# KiCad board 11-10084__speedy_processing_module__B.kicad_pcb (continued)
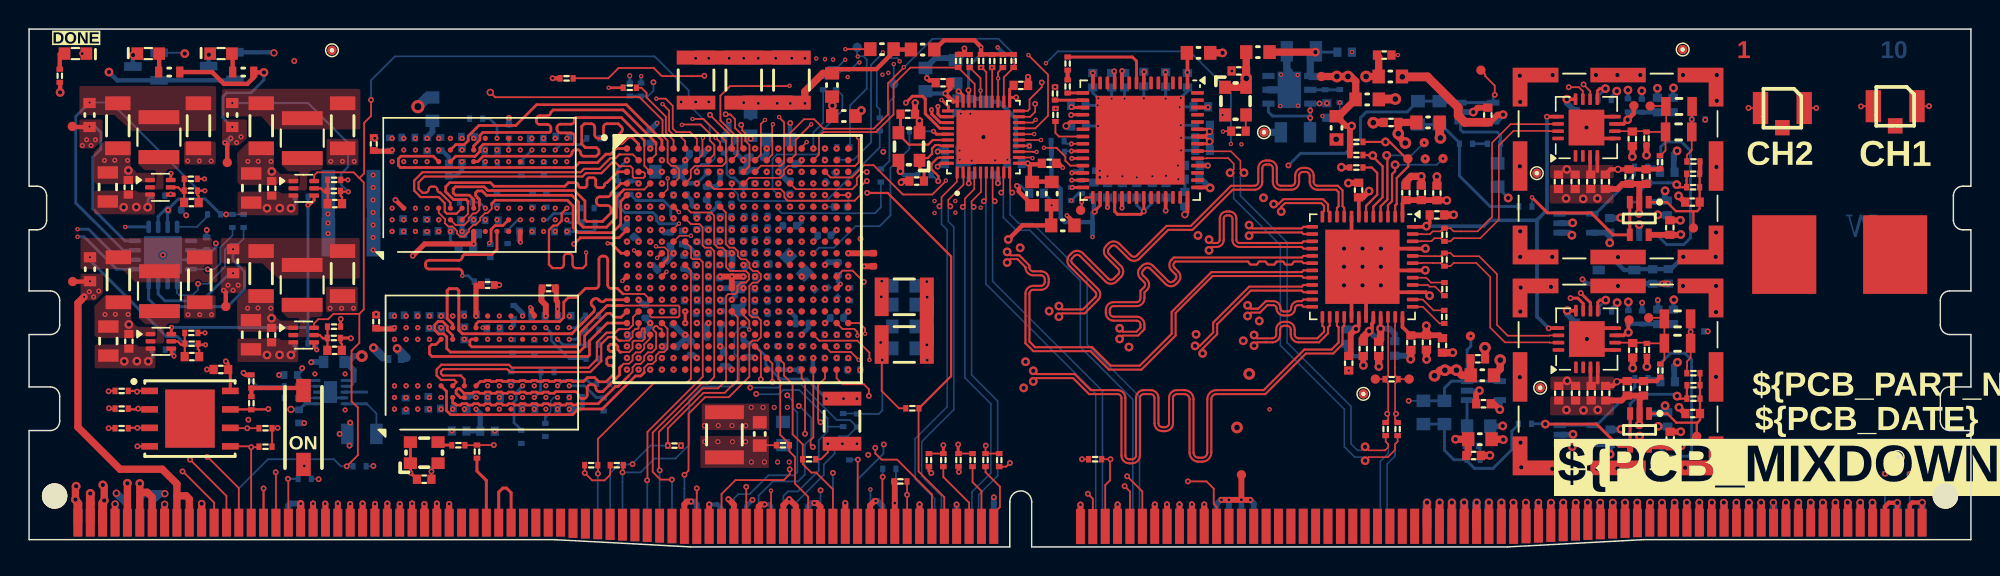
[diagram p0: board, top side]
## Placement (name value [footprint] x y rotation side) (continued)
R153  40.2Ω  [R0402_0.40MM_HD]  31.03 18.24 180 bottom
R154  40.2Ω  [R0402_0.40MM_HD]  33.8 7.56 90 bottom
R155  40.2Ω  [R0402_0.40MM_HD]  39.45 9.79 90 bottom
R156  40.2Ω  [R0402_0.40MM_HD]  35.45 8.04 90 bottom
R157  40.2Ω  [R0402_0.40MM_HD]  39.43 11.22 180 bottom
R158  40.2Ω  [R0402_0.40MM_HD]  38.35 23.29 180 bottom
R159  40.2Ω  [R0402_0.40MM_HD]  38.68 14.92 180 bottom
R160  40.2Ω  [R0402_0.40MM_HD]  38.7 13.89 180 bottom
R161  40.2Ω  [R0402_0.40MM_HD]  38.65 15.89 180 bottom
R162  40.2Ω  [R0402_0.40MM_HD]  38.75 28.09 180 bottom
R163  10kΩ  [R0402_0.40MM_HD]  17.98 10.24 180 bottom
R164  10kΩ  [R0402_0.40MM_HD]  17.98 11.03 180 bottom
R165  100Ω  [R0402_0.40MM_HD]  42.03 31.44 90 bottom  (not fitted)
R166  330Ω  [R0603_0.55MM_HD]  14.7 32.65 0 top
R167  0Ω  [R0402_0.40MM_HD]  129.15 4.55 90 bottom
R168  0Ω  [R0402_0.40MM_HD]  127.45 4.58 90 bottom
R169  10kΩ  [R0402_0.40MM_HD]  59.08 5.37 0 bottom
R170  10kΩ  [R0402_0.40MM_HD]  59.84 4.5 180 top
R171  10kΩ  [R0402_0.40MM_HD]  56.33 6.43 90 bottom
R172  10kΩ  [R0402_0.40MM_HD]  53.56 6.03 0 top
R173  10kΩ  [R0402_0.40MM_HD]  51.77 6.99 180 top
R174  10kΩ  [R0402_0.40MM_HD]  73.21 6.03 180 top
R175  0Ω  [R0402_0.40MM_HD]  114.65 29.39 180 bottom
R176  0Ω  [R0402_0.40MM_HD]  114.55 14.81 180 bottom
SH1  RF Shield  [TE_2118714-2]  109.12 26.19 90 top  (not fitted)
SH2  RF Shield  [TE_2118714-2]  109.12 11.69 90 top  (not fitted)
SW1  -  [CHS-01TA]  18.84 10.24 0 top
TP1  GND  [SMT_TP-25_GND]  20.8 34.14 0 top
TP2  SMT Testpoint 20mil  [SMT_TP-25]  72.21 23.15 180 top
TP3  GND  [SMT_TP-25_GND]  113.56 34.19 0 top
TP4  SMT Testpoint 20mil  [SMT_TP-25]  114.3 21.93 0 top
TP12  SMT Testpoint 20mil  [SMT_TP-25]  56.87 34.35 180 bottom
TP13  SMT Testpoint 20mil  [SMT_TP-25]  59.38 31.83 180 bottom
TP14  SMT Testpoint 20mil  [SMT_TP-25]  114.52 7.6 0 top
TP15  SMT Testpoint 20mil  [SMT_TP-25]  110.21 30.33 0 top
TP16  SMT Testpoint 20mil  [SMT_TP-25]  109.88 15.6 0 top
TP17  SMT Testpoint 20mil  [SMT_TP-25]  111.32 30.31 0 top
TP18  SMT Testpoint 20mil  [SMT_TP-25]  111.22 15.75 0 top
TP19  SMT Testpoint 20mil  [SMT_TP-25]  99.7 32.77 0 top
TP20  SMT Testpoint 20mil  [SMT_TP-25]  98.98 14.49 0 top
TP21  GND  [SMT_TP-25_GND]  103.77 10.94 0 top
TP22  GND  [SMT_TP-25_GND]  103.54 25.69 0 top
TP23  SMT Testpoint 20mil  [SMT_TP-25]  95.88 26.68 0 top
TP24  SMT Testpoint 20mil  [SMT_TP-25]  94.69 26.68 0 top
TP25  SMT Testpoint 20mil  [SMT_TP-25]  95.8 27.79 0 top
TP26  SMT Testpoint 20mil  [SMT_TP-25]  97.1 26.7 90 top
TP27  GND  [SMT_TP-25_GND]  91.63 10.52 0 top
TP28  GND  [SMT_TP-25_GND]  84.81 28.51 0 top
TP29  SMT Testpoint 20mil  [SMT_TP-25]  83.26 4.96 0 top
TP30  SMT Testpoint 20mil  [SMT_TP-25]  88.74 32.34 270 top
TP31  SMT Testpoint 20mil  [SMT_TP-25]  111.2 25.03 90 bottom
TP33  SMT Testpoint 20mil  [SMT_TP-25]  92.45 11.54 0 top
TP34  SMT Testpoint 20mil  [SMT_TP-25]  94.77 11.54 0 top
TP35  SMT Testpoint 20mil  [SMT_TP-25]  2.97 28.91 90 top
TP36  GND  [SMT_TP-25_GND]  128.32 6.18 0 top
TP37  SMT Testpoint 20mil  [SMT_TP-25]  2.99 18.24 0 top
TP38  SMT Testpoint 20mil  [SMT_TP-25]  13.51 16.53 90 top
TP39  SMT Testpoint 20mil  [SMT_TP-25]  13.61 26.43 180 top
U1  TLV9001IDCKR  [SC70-5]  110.58 22.58 270 top
U2  TLV9001IDCKR  [SC70-5]  110.58 22.58 90 bottom
U3  LMH6518SQ/NOPB  [QFN-16-1EP_4x4mm_P0.5mm_EP2.45x2.45mm]  106.95 28.83 90 top
U4  TLV9001IDCKR  [SC70-5]  106.23 22.26 0 bottom
U5  TLV9001IDCKR  [SC70-5]  110.6 8.04 270 top
U6  TLV9001IDCKR  [SC70-5]  110.6 8.04 90 bottom
U7  LMH6518SQ/NOPB  [QFN-16-1EP_4x4mm_P0.5mm_EP2.45x2.45mm]  106.98 14.29 90 top
U8  TLV9001IDCKR  [SC70-5]  106.25 7.72 0 bottom
U9  HMCAD1511  [QFN-48-1EP_7x7mm_P0.5mm_EP5.1x5.1mm]  91.57 19.26 270 top
U10  ST1L05BPUR  [SON95P300X300X100-7N]  86.55 31.43 0 bottom
U11  AS4C256M16D3  [FBGA-96_9x13mm_Layout9x16_P0.8mm]  31.09 12.67 90 top
U13  ZL30260LDG1  [QFN-56-1EP_8x8mm_P0.5mm_EP6.1x6.1mm]  76.3 27.96 270 top
U14  ADR127AUJZ-REEL7  [SOT95P245X145-6L]  109.01 19.04 180 bottom
U15  W25Q128JVPIQ  [SON127P600X80_HS-9N]  11.05 8.82 0 top
U16  ECS-TXO-2520MV-100-AY-TR  [ECS-2520]  82.85 30.65 270 top
U17  RTL8211FDI-CG  [QFN40P500X500X90-41N]  65.54 28.17 90 top
U18  AS4C256M16D3  [FBGA-96_9x13mm_Layout9x16_P0.8mm]  30.93 24.89 90 top
U19  TLV9001IDCKR  [SC70-5]  99.43 29.89 0 bottom
U20  TLV9001IDCKR  [SC70-5]  99.88 10.74 0 bottom
U21  TPS62A02NDRLR  [SOT-563]  9.05 14.13 0 top
U22  TPS62A02NDRLR  [SOT-563]  18.86 24.65 0 top
U23  TPS62A02NDRLR  [SOT-563]  18.85 14.56 0 top
U24  PAC1934T-I/JQ  [QFN65P400X400X55-17N]  9.19 20.07 180 bottom
U25  TPS62A02NDRLR  [SOT-563]  9.01 24.72 0 top
U26  TPS51206DSQR  [DFN-10_2x2mm_P0.4mm]  20.7 10.64 180 bottom
U27  ECS-2520MV-333.3-BN-TR  [ECS-2520]  27.13 6.48 0 top
X1  25MHz  [ECS-2520]  60.42 27.53 90 top

## Library data of the parts
C1 C2 C20 C21 = -: Description: CAP CER 4.7UF 16V X7R 0805; Manufacturer: Murata Electronics; Manufacturer Part Number: GCM21BR71C475KA73L; cad-reference: GCM21BR71C475KA73L; ki_fp_filters: wavenumber:C0805_1.40MM_MD
C3 C6 C8 C10 C11 C13 C14 C16 C17 C22 C25 C27 C29 C30 C32 C33 C35 C36 C45 C57 C61 C73 C74 C83 C85 C86 C126 C129 C130 C208 C209 C218 C221 C228 C232-C234 C238 C243 C245 C247-C249 = -: Description: CAP CER 0.1UF 50V X7R 0402; Temperature Coefficient: Temperature Coefficient; Manufacturer: Murata Electronics; Manufacturer Part Number: GCM155R71H104KE02J; cad-reference: GCM155R71H104KE02J; ki_fp_filters: wavenumber:C0402_0.55MM_HD
C4 C23 = -: Description: CAP CER 10PF 50V C0G/NP0 0402; Temperature Coefficient: Temperature Coefficient; Manufacturer: Murata Electronics; Manufacturer Part Number: GCM1555C1H100FA16D; cad-reference: GCM1555C1H100FA16D; ki_fp_filters: wavenumber:C0402_0.55MM_HD
C5 C18 C19 C24 C37 C38 C46-C48 = -: Description: CAP CER 1000PF 50V X7R 0402; Temperature Coefficient: Temperature Coefficient; Manufacturer: Murata Electronics; Manufacturer Part Number: GCM155R71H102JA37D; cad-reference: GCM155R71H102JA37D; ki_fp_filters: wavenumber:C0402_0.55MM_HD
C7 C12 C15 C26 C31 C34 = -: Description: CAP CER 2.2UF 16V X5R 0402; Temperature Coefficient: Temperature Coefficient; Manufacturer: Murata Electronics; Manufacturer Part Number: GRT155R61C225KE13D; cad-reference: GRT155R61C225KE13D; ki_fp_filters: wavenumber:C0402_0.55MM_HD
C9 C28 C41 C42 C44 C49-C51 C56 C58 C90 C92 C121 = -: Description: CAP CER 10000PF 25V X7R 0402; Temperature Coefficient: Temperature Coefficient; Manufacturer: Murata Electronics; Manufacturer Part Number: GCM155R71E103KA37D; cad-reference: GCM155R71E103KA37D; ki_fp_filters: wavenumber:C0402_0.55MM_HD
C39 C40 C43 C52-C54 C65-C72 C75-C82 C211-C216 = -: Description: CAP CER 1UF 10V X7S 0402; Temperature Coefficient: Temperature Coefficient; Manufacturer: Murata Electronics; Manufacturer Part Number: GCM155C71A105KE38D; cad-reference: GCM155C71A105KE38D; ki_fp_filters: wavenumber:C0402_0.55MM_HD
C55 C59 C217 C220 C227 C237 = -: Description: CAP CER 10UF 6.3V X7R 0805; Temperature Coefficient: Temperature Coefficient; Manufacturer: Murata Electronics; Manufacturer Part Number: GCM21BR70J106KE22K; cad-reference: GCM21BR70J106KE22K; ki_fp_filters: wavenumber:C0805_1.40MM_MD
C60 C62 C89 C91 C93 C94 C97 C98 C100-C104 C106-C120 C123 C124 C127 C128 = -: Description: CAP CER 0.047UF 25V X7R 0402; Temperature Coefficient: Temperature Coefficient; Manufacturer: Murata Electronics; Manufacturer Part Number: GCM155R71E473KA55D; cad-reference: GCM155R71E473KA55D; ki_fp_filters: wavenumber:C0402_0.55MM_HD
C63 C64 C95 C99 = -: Description: CAP CER 0.47UF 35V X5R 0402; Temperature Coefficient: Temperature Coefficient; Manufacturer: Murata Electronics; Manufacturer Part Number: GRT155R6YA474KE01D; cad-reference: GRT155R6YA474KE01D; ki_fp_filters: wavenumber:C0402_0.55MM_HD
C84 C125 C134 C135 C138 C139 C141 C142 C145 C147-C149 C153-C157 C159-C171 C173-C180 C182-C184 C186-C188 C190-C194 C253-C264 = -: Description: CAP CER 0.47UF 10V X7S 0402; Temperature Coefficient: Temperature Coefficient; Manufacturer: Murata Electronics; Manufacturer Part Number: GCM155C71A474KE36D; cad-reference: GCM155C71A474KE36D; ki_fp_filters: wavenumber:C0402_0.60MM_HD
C88 C265 C266 C268 = -: Description: CAP CER 0.1UF 10V X7R 0402; Manufacturer: Murata Electronics; Manufacturer Part Number: GCM155R71A104KA55D; cad-reference: GCM155R71A104KA55D; ki_fp_filters: wavenumber:C0402_0.55MM_HD
C96 C105 = -: Description: CAP CER 4.7UF 25V X5R 0603; Temperature Coefficient: Temperature Coefficient; Manufacturer: Murata Electronics; Manufacturer Part Number: GRT188R61E475KE13D; cad-reference: GRT188R61E475KE13D; ki_fp_filters: wavenumber:C0603_0.90MM_MD
C122 C132 C133 C140 C150 C151 C158 C172 C185 C195 C197-C200 C235 C242 C244 C246 C250 C269 = -: Description: CAP CER 4.7UF 6.3V X7S 0603; Temperature Coefficient: Temperature Coefficient; Manufacturer: Murata Electronics; Manufacturer Part Number: GCJ188C70J475KE02D; cad-reference: GCJ188C70J475KE02D; ki_fp_filters: wavenumber:C0603_1.00MM_MD
C131 C136 C137 C144 C146 C152 C196 C201 C202 = -: Description: CAP CER 100UF 6.3V X5R 1210; Temperature Coefficient: Temperature Coefficient; Manufacturer: Murata Electronics; Manufacturer Part Number: GRT32ER60J107ME13L; cad-reference: GRT32ER60J107ME13L; ki_fp_filters: wavenumber:C1210_2.70MM_MD
C143 C189 = -: Description: CAP CER 47UF 6.3V X7R 1210; Temperature Coefficient: Temperature Coefficient; Manufacturer: Murata Electronics; Manufacturer Part Number: GCJ32ER70J476KE01L; cad-reference: GCJ32ER70J476KE01L; ki_fp_filters: wavenumber:C1210_2.80MM_MD
C203-C207 C210 = -: Description: CAP CER 10000PF 100V C0G 0603; Temperature Coefficient: Temperature Coefficient; Manufacturer: TDK Corporation; Manufacturer Part Number: CGA3E1C0G2A103J080AC; cad-reference: CGA3E1C0G2A103J080AC; ki_fp_filters: wavenumber:C0603_0.90MM_MD
C219 C223 C229 C239 = -: Description: CAP CER 39PF 50V C0G/NP0 0402; Temperature Coefficient: Temperature Coefficient; Manufacturer: Murata Electronics; Manufacturer Part Number: GCQ1555C1H390JB01D; cad-reference: GCQ1555C1H390JB01D; ki_fp_filters: wavenumber:C0402_0.55MM_HD
C222 C224-C226 C230 C231 C240 C241 = -: Description: CAP CER 22UF 6.3V X7R 1206; Temperature Coefficient: Temperature Coefficient; Manufacturer: TDK Corporation; Manufacturer Part Number: CGA5L1X7R0J226M160AE; cad-reference: CGA5L1X7R0J226M160AE; ki_fp_filters: wavenumber:C1206_1.90MM_MD
C251 C252 = -: Description: CAP CER 18PF 50V C0G/NP0 0402; Temperature Coefficient: Temperature Coefficient; Manufacturer: Murata Electronics; Manufacturer Part Number: GCM1555C1H180JA16D; cad-reference: GCM1555C1H180JA16D; ki_fp_filters: wavenumber:C0402_0.55MM_HD
C267 = -: Description: CAP CER 10UF 6.3V X7R 0805; Temperature Coefficient: Temperature Coefficient; Manufacturer: TDK Corporation; Manufacturer Part Number: CGA4J1X7R0J106K125AC; cad-reference: CGA4J1X7R0J106K125AC; ki_fp_filters: wavenumber:C0805_1.45MM_MD
D1 D5 = -: Description: 0603 Green 570nm LED Indication - Discrete 2.1V 0603 (1608 Metric); Manufacturer: Kingbright; ki_fp_filters: wavenumber:LED-0603-GREEN
D6 = -: Description: 0603 Red 630nm LED Indication - Discrete 1.95V 0603 (1608 Metric); Manufacturer: Kingbright; ki_fp_filters: wavenumber:LED-0603-RED
IC1 = -: Datasheet: https://www.xilinx.com/support/documentation/data_sheets/ds187-XC7Z010-XC7Z020-Data-Sheet.pdf; Description: Zynq-7000 All Programmable SoC, BGA-400; Height: 1.6; Manufacturer_Name: AMD; Mouser Part Number: 217-XC7Z010-1CLG400C; Mouser Price/Stock: https://www.mouser.co.uk/ProductDetail/AMD-Xilinx/XC7Z010-1CLG400C?qs=rrS6PyfT74fH%252BORuML3uDw%3D%3D; Manufacturer PN: AMD
J1 J2 = -: Description: CONN UMCC JACK STR 50OHM SMD; KICAD-SYMBOL: 1909763-1:1909763-1; KICAD-FOOTPRINT: 1909763-1:1909763-1; MANUFACTURER: TE Connectivity AMP Connectors; CATEGORY: connectors/rf; Manufacturer: TE Connectivity AMP Connectors; ki_fp_filters: wavenumber:1909763-1
JEDEC1 = -: Description: DDR5 Memory pin layout; ALTIUM_VALUE: DDR5-Module; CAD-REFERENCE: DDR5-Module; KICAD-SYMBOL: DDR5-Module:DDR5-Module; KICAD-FOOTPRINT: DDR5-Module:DDR5-Module; MANUFACTURER: Wavenumber; MANUFACTURER PART NUMBER: DDR4-Module; Manufacturer: Wavenumber; Manufacturer Part Number: DDR5-ABxB-Module; cad-reference: DDR5-ABxB-Module; flags: NO_BOM; ki_fp_filters: memory:DDR5-ABxB-Module
L1-L4 = -: Description: 400mΩ ±25% 1kΩ@100MHz 0603  Ferrite Beads ROHS; Category: Inductors; CategorySort: 300; ALTIUM_VALUE: VALUE; Manufacturer: Eaton; Manufacturer Part Number: MFBM1V1608-102-R; cad-reference: MFBM1V1608-102-R; ki_fp_filters: wavenumber:C0603_0.90MM_MD
L6-L10 L14 L16 L17 = -: Description: 400mΩ ±25% 1kΩ@100MHz 0603  Ferrite Beads ROHS; Category: Inductors; CategorySort: 300; ALTIUM_VALUE: VALUE; Manufacturer: Murata Electronics; Manufacturer Part Number: BLM15PX121SN1D; cad-reference: MFBM1V1608-102-R; ki_fp_filters: wavenumber:C0603_0.90MM_MD
L11-L13 L15 = -: Description: Inductor 1µH 9.85A; Category: Inductors; CategorySort: 300; ALTIUM_VALUE: VALUE; Manufacturer: Murata Electronics; Manufacturer Part Number: 1277AS-H-1R0M=P2; cad-reference: 1277AS-H-1R0M=P2; ki_fp_filters: wavenumber:L_ASPI-8040S
M1 = -: Description: Cable Clip, C-Type Silver Solder, strain-relief; Manufacturer: Harwin; KICAD-SYMBOL: S8101-46R:S8101-46R; KICAD-FOOTPRINT: S8101-46R:S8101-46R; ki_fp_filters: *S8101-46R*
M2 = -: Description: Cable Clip, C-Type Silver Solder, strain-relief; KICAD-SYMBOL: S8101-46R:S8101-46R; KICAD-FOOTPRINT: S8101-46R:S8101-46R; MANUFACTURER: Harwin; Manufacturer: Harwin; ki_fp_filters: *S8101-46R*
Q3 Q4 = -: Description: MOSFET N-CH 25V 220MA SOT-23; Manufacturer: OnSemi; ki_fp_filters: wavenumber:SOT-23
R1 R2 R5 R6 R13 R14 R17 R18 = -: Description: RES 100 OHM 1/10W 1% 0402 SMD; ALTIUM_VALUE: 27kΩ; Package Power: PACKAGE (POWER); Manufacturer: Panasonic Electronic Components; Manufacturer Part Number: ERJ-2RKF1000X; cad-reference: ERJ-2RKF1000X; ki_fp_filters: wavenumber:R0402_0.40MM_HD
R3 R15 = -: Description: RES 95.3K OHM 1/10W 1% 0402 SMD; Package Power: PACKAGE (POWER); Manufacturer: Panasonic Electronic Components; Manufacturer Part Number: ERJ-2RKF9532X; cad-reference: ERJ-2RKF9532X; ki_fp_filters: wavenumber:R0402_0.40MM_HD
R4 R7-R9 R16 R19-R21 R25 R26 R32 R34 R102 R105-R107 R163 R164 R169-R174 = -: Description: RES 10K OHM 1/10W 1% 0402 SMD; Package Power: PACKAGE (POWER); Manufacturer: Panasonic Electronic Components; Manufacturer Part Number: ERJ-2RKF1002X; cad-reference: ERJ-2RKF1002X; ki_fp_filters: wavenumber:R0402_0.40MM_HD
R10 R22 = -: Description: RES 7.32K OHM 1/10W 1% 0402 SMD; Package Power: PACKAGE (POWER); Manufacturer: Panasonic Electronic Components; Manufacturer Part Number: ERJ-2RKF7321X; cad-reference: ERJ-2RKF7321X; ki_fp_filters: wavenumber:R0402_0.40MM_HD
R11 R12 R23 R24 R75 R76 = -: Description: RES 86.6K OHM 1/10W 1% 0402 SMD; Package Power: PACKAGE (POWER); Manufacturer: Panasonic Electronic Components; Manufacturer Part Number: ERJ-2RKF8662X; cad-reference: ERJ-2RKF8662X; ki_fp_filters: wavenumber:R0402_0.40MM_HD
R27-R31 R35 R36 R78 R82 R85 R88 R93-R96 = -: Description: RES 100 OHM 1/10W 1% 0402 SMD; Package Power: PACKAGE (POWER); Manufacturer: Panasonic Electronic Components; Manufacturer Part Number: ERJ-2RKF1000X; cad-reference: ERJ-2RKF1000X; ki_fp_filters: wavenumber:R0402_0.40MM_HD
R33 R38 R39 R49 R50 R55 R73 R97-R99 R108-R111 R119 R120 R122 = -: Description: RES 4.7K OHM 1/10W 1% 0402 SMD; Package Power: PACKAGE (POWER); Manufacturer: Panasonic Electronic Components; Manufacturer Part Number: ERJ-2RKF4701X; cad-reference: ERJ-2RKF4701X; ki_fp_filters: wavenumber:R0402_0.40MM_HD
R37 R77 R80 R81 R83 R84 R87 R90 R91 = -: Description: RES 100K OHM 1/10W 1% 0402 SMD; Package Power: PACKAGE (POWER); Manufacturer: Panasonic Electronic Components; Manufacturer Part Number: ERJ-2RKF1003X; cad-reference: ERJ-2RKF1003X; ki_fp_filters: wavenumber:R0402_0.40MM_HD
R40-R45 R61 = -: Description: RES 1K OHM 1/10W 1% 0402 SMD; Package Power: PACKAGE (POWER); Manufacturer: Panasonic Electronic Components; Manufacturer Part Number: ERJ-2RKF1001X; cad-reference: ERJ-2RKF1001X; ki_fp_filters: wavenumber:R0402_0.40MM_HD
R46 R47 = -: Description: RES 100 OHM 1/10W 1% 0402 SMD; ALTIUM_VALUE: 0Ω; Package Power: PACKAGE (POWER); Manufacturer: Panasonic Electronic Components; Manufacturer Part Number: ERJ-2RKF1000X; cad-reference: ERJ-2RKF1000X; ki_fp_filters: wavenumber:R0402_0.40MM_HD
R48 R74 R116 R134-R137 R165 = -: Description: RES 100 OHM 1/10W 1% 0402 SMD; ALTIUM_VALUE: 0; Package Power: PACKAGE (POWER); Manufacturer: Panasonic Electronic Components; Manufacturer Part Number: ERJ-2RKF1000X; cad-reference: ERJ-2RKF1000X; ki_fp_filters: wavenumber:R0402_0.40MM_HD
R51 R52 = -: Description: RES 220 OHM 1/10W 1% 0402 SMD; Package Power: PACKAGE (POWER); Manufacturer: Panasonic Electronic Components; Manufacturer Part Number: ERJ-2RKF2200X; cad-reference: ERJ-2RKF2200X; ki_fp_filters: wavenumber:R0402_0.40MM_HD
R53 R54 R59 R124-R129 = -: Description: RES 24 OHM 1/10W 1% 0402 SMD; Package Power: PACKAGE (POWER); Manufacturer: Panasonic Electronic Components; Manufacturer Part Number: ERJ-2RKF24R0X; cad-reference: ERJ-2RKF24R0X; ki_fp_filters: wavenumber:R0402_0.40MM_HD
R56-R58 R60 R64-R67 = -: Description: RES 20K OHM 1/10W 1% 0402 SMD; Package Power: PACKAGE (POWER); Manufacturer: Panasonic Electronic Components; Manufacturer Part Number: ERJ-2RKF2002X; cad-reference: ERJ-2RKF2002X; ki_fp_filters: wavenumber:R0402_0.40MM_HD
R68 R166 = -: Description: RES 330 OHM 1/10W 1% 0603 SMD; Manufacturer: Panasonic Electronic Components; Manufacturer Part Number: ERJ-3EKF3300V; cad-reference: ERJ-3EKF3300V; ki_fp_filters: wavenumber:R0603_0.55MM_HD
R69 R70 R138 = -: Description: RES 80.6 OHM 1/10W 1% 0402 SMD; Package Power: PACKAGE (POWER); Manufacturer: Panasonic Electronic Components; Manufacturer Part Number: ERJ-2RKF80R6X; cad-reference: ERJ-2RKF80R6X; ki_fp_filters: wavenumber:R0402_0.40MM_HD
R71 R72 = -: Description: RES 240 OHM 1/10W 1% 0402 SMD; Package Power: PACKAGE (POWER); Manufacturer: Panasonic Electronic Components; Manufacturer Part Number: ERJ-2RKF2400X; cad-reference: ERJ-2RKF2400X; ki_fp_filters: wavenumber:R0402_0.40MM_HD
R79 = -: Description: RES 200K OHM 1/10W 1% 0402 SMD; Package Power: PACKAGE (POWER); Manufacturer: Panasonic Electronic Components; Manufacturer Part Number: ERJ-2RKF2003X; cad-reference: ERJ-2RKF2003X; ki_fp_filters: wavenumber:R0402_0.40MM_HD
R86 = -: Description: RES 453K OHM 1/10W 1% 0402 SMD; Package Power: PACKAGE (POWER); Manufacturer: Panasonic Electronic Components; Manufacturer Part Number: ERJ-2RKF4533X; cad-reference: ERJ-2RKF4533X; ki_fp_filters: wavenumber:R0402_0.40MM_HD
R89 = -: Description: RES 150K OHM 1/10W 1% 0402 SMD; Package Power: PACKAGE (POWER); Manufacturer: Panasonic Electronic Components; Manufacturer Part Number: ERJ-2RKF1503X; cad-reference: ERJ-2RKF1503X; ki_fp_filters: wavenumber:R0402_0.40MM_HD
R92 = -: Description: RES 66.5K OHM 1/10W 1% 0402 SMD; Package Power: PACKAGE (POWER); Manufacturer: Panasonic Electronic Components; Manufacturer Part Number: ERJ-2RKF6652X; cad-reference: ERJ-2RKF6652X; ki_fp_filters: wavenumber:R0402_0.40MM_HD
R112-R114 = -: Description: RES 1.2K OHM 1/10W 1% 0402 SMD; Package Power: PACKAGE (POWER); Manufacturer: Panasonic Electronic Components; Manufacturer Part Number: ERJ-2RKF1201X; cad-reference: ERJ-2RKF1201X; ki_fp_filters: wavenumber:R0402_0.40MM_HD
R115 = -: Description: RES 1.5K OHM 1/10W 1% 0402 SMD; Package Power: PACKAGE (POWER); Manufacturer: Panasonic Electronic Components; Manufacturer Part Number: ERJ-2RKF1501X; cad-reference: ERJ-2RKF1501X; ki_fp_filters: wavenumber:R0402_0.40MM_HD
R117 = -: Description: RES 2.49K OHM 1/10W 1% 0402 SMD; Package Power: PACKAGE (POWER); Manufacturer: Panasonic Electronic Components; Manufacturer Part Number: ERJ-2RKF2491X; cad-reference: ERJ-2RKF2491X; ki_fp_filters: wavenumber:R0402_0.40MM_HD
R118 R121 R123 = -: Description: RES 390 OHM 1/10W 1% 0402 SMD; Package Power: PACKAGE (POWER); Manufacturer: Panasonic Electronic Components; Manufacturer Part Number: ERJ-2RKF3900X; cad-reference: ERJ-2RKF3900X; ki_fp_filters: wavenumber:R0402_0.40MM_HD
R130-R133 = -: Description: RES SMD 1.4K OHM 0.1% 1/16W 0603 10PPM/C; Package Power: PACKAGE (POWER); Manufacturer: YAGEO; Manufacturer Part Number: PA0603FRE570R01L; cad-reference: PA0603FRE570R01L; ki_fp_filters: wavenumber:R0603_0.55MM_MD
R139-R162 = -: Description: RES 40.2 OHM 1/10W 1% 0402 SMD; Manufacturer: Panasonic Electronic Components; Manufacturer Part Number: ERJ-2RKF40R2X; cad-reference: ERJ-2RKF40R2X; ki_fp_filters: wavenumber:R0402_0.40MM_HD
R167 R168 R175 R176 = -: Description: RES 0.0 OHM 1/10W JUMP 0402 SMD; Package Power: PACKAGE (POWER); Manufacturer: Panasonic Electronic Components; Manufacturer Part Number: ERJ-2GE0R00X; cad-reference: ERJ-2GE0R00X; ki_fp_filters: wavenumber:R0402_0.40MM_HD
SH1 SH2 = -: Description: RF SHIELD 0.5" X 0.538" SMD; Manufacturer: TE Connectivity AMP Connectors; Manufacturer PN: 2118714-2; Manufacturer Part Number: 2118714-2
SW1 = -: Description: SWITCH SLIDE DIP SPST 0.1A 6V; Manufacturer: Nidec Components Corporation; ki_fp_filters: wavenumber:CHS-01TA
TP2 TP4 TP12-TP20 TP23-TP26 TP29-TP31 TP33-TP35 TP37-TP39 = -: Description: SMT Testpoint 25mil; Manufacturer: Wavenumber; Manufacturer Part Number: SMT_TP-25; cad-reference: SMT_TP-25; flags: NO_BOM; ki_fp_filters: wavenumber:SMT_TP-25
U1 U2 U4-U6 U8 U19 U20 = -: Description: -40℃~+125℃ 1 1.6mV 1.8V~5.5V 1MHz 2V/us 2pA 4.7nV/√Hz@1kHz 40mA 5.5V 5pA 600nV/℃ 60uA 86dB 900mV~2.75V Rail-to-Rail Input, Rail-to-Rail Output SC-70-5 Operational Amplifier ROHS; Manufacturer: TI; ki_fp_filters: wavenumber:SC70-5
U3 U7 = -: Description: Variable Gain Amplifier 1 Circuit Differential 16-WQFN (4x4); Manufacturer: Texas Instruments; ki_fp_filters: *TI_WQFN_RGH0016A*
U9 = -: Description: IC ADC 8BIT PIPELINED 48QFN; Manufacturer: Analog Devices Inc.; Manufacturer Part Number: HMCAD1511TR
U10 = -: Description: Linear Voltage Regulator IC Positive Adjustable 1 Output 1.3A 6-DFN (3x3); Manufacturer: STMicroelectronics
U11 U18 = -: Datasheet: https://www.alliancememory.com/wp-content/uploads/pdf/ddr3/4GB-AS4C256M16D3.pdf; Description: 4Gb (256Mx16 bit) Double Data Rate 3 Synchronous DRAM; Manufacturer: ISSI, Integrated Silicon Solution Inc; Manufacturer Part Number: IS43TR16256B-125KBL; ki_fp_filters: BGA*9.0x13.0mm*P0.8mm*
U13 = -: Manufacturer: Microchip Technology
U14 = -: Description: Buck Switching Regulator IC Positive Adjustable 0.6V 1 Output 1A SOT-563, SOT-666; Manufacturer: Analog Devices Inc.; Manufacturer Part Number: ADR127BUJZ-REEL7
U15 = -: Description: IC FLASH 128MBIT SPI/QUAD 8WSON; Manufacturer: Winbond; ki_fp_filters: wavenumber:SON127P600X80_HS-9N
U16 = -: Description: XTAL OSC TCXO 10MHZ CMOS SMD; Manufacturer: ECS; ki_fp_filters: wavenumber:ECS-2520
U17 = -: Description: Integrated 10/100/1000M Ethernet Precision Transceiver; Manufacturer: REALTEK
U21-U23 U25 = -: Description: Buck Switching Regulator IC Positive Adjustable 0.6V 1 Output 1A SOT-563, SOT-666; Manufacturer: Texas Instruments
U24 = -: Description: Current Monitor Regulator High-Side 16-UQFN (4x4); Manufacturer: Microchip Technology
U26 = -: Description: - Converter, DDR Voltage Regulator IC 1 Output 10-WSON (2x2); Manufacturer: Texas Instruments
U27 = -: Description: XTAL OSC XO 33.3333MHZ CMOS SMD; ki_fp_filters: wavenumber:ECS-2520
X1 = -: Description: -30℃~+85℃ 18pF 25MHz 50Ω ±10ppm ±20ppm SMD2520-4P Crystals ROHS; Manufacturer: ECS; Manufacturer Part Number: ECS-250-18-36B2-CTY-TR; cad-reference: ECS-250-18-36B2-CTY-TR; ki_fp_filters: wavenumber:ECS-2520

## Footprints (pads in the part's own frame, mm; a bottom-side part is the same pattern mirrored in y, then rotated)
1909763-1
  rect 1.05x2.2 smd: 1(-1.5,0.675) 2(1.5,0.675)
  rect 1x1.05 smd: 3(0,-0.675)
BGA400C80P20X20_1700X1700X160
  round 0.45 smd: A1(-7.6,7.6) A2(-6.8,7.6) A3(-6,7.6) A4(-5.2,7.6) A5(-4.4,7.6) A6(-3.6,7.6) A7(-2.8,7.6) A8(-2,7.6) A9(-1.2,7.6) A10(-0.4,7.6) A11(0.4,7.6) A12(1.2,7.6) A13(2,7.6) A14(2.8,7.6) A15(3.6,7.6) A16(4.4,7.6) A17(5.2,7.6) A18(6,7.6) A19(6.8,7.6) A20(7.6,7.6) B1(-7.6,6.8) B2(-6.8,6.8) B3(-6,6.8) B4(-5.2,6.8) B5(-4.4,6.8) B6(-3.6,6.8) B7(-2.8,6.8) B8(-2,6.8) B9(-1.2,6.8) B10(-0.4,6.8) B11(0.4,6.8) B12(1.2,6.8) B13(2,6.8) B14(2.8,6.8) B15(3.6,6.8) B16(4.4,6.8) B17(5.2,6.8) B18(6,6.8) B19(6.8,6.8) B20(7.6,6.8) C1(-7.6,6) C2(-6.8,6) C3(-6,6) C4(-5.2,6) C5(-4.4,6) C6(-3.6,6) C7(-2.8,6) C8(-2,6) C9(-1.2,6) C10(-0.4,6) C11(0.4,6) C12(1.2,6) C13(2,6) C14(2.8,6) C15(3.6,6) C16(4.4,6) C17(5.2,6) C18(6,6) C19(6.8,6) C20(7.6,6) D1(-7.6,5.2) D2(-6.8,5.2) D3(-6,5.2) D4(-5.2,5.2) D5(-4.4,5.2) D6(-3.6,5.2) D7(-2.8,5.2) D8(-2,5.2) D9(-1.2,5.2) D10(-0.4,5.2) D11(0.4,5.2) D12(1.2,5.2) D13(2,5.2) D14(2.8,5.2) D15(3.6,5.2) D16(4.4,5.2) D17(5.2,5.2) D18(6,5.2) D19(6.8,5.2) D20(7.6,5.2) E1(-7.6,4.4) E2(-6.8,4.4) E3(-6,4.4) E4(-5.2,4.4) E5(-4.4,4.4) E6(-3.6,4.4) E7(-2.8,4.4) E8(-2,4.4) E9(-1.2,4.4) E10(-0.4,4.4) E11(0.4,4.4) E12(1.2,4.4) E13(2,4.4) E14(2.8,4.4) E15(3.6,4.4) E16(4.4,4.4) E17(5.2,4.4) E18(6,4.4) E19(6.8,4.4) E20(7.6,4.4) F1(-7.6,3.6) F2(-6.8,3.6) F3(-6,3.6) F4(-5.2,3.6) F5(-4.4,3.6) F6(-3.6,3.6) F7(-2.8,3.6) F8(-2,3.6) F9(-1.2,3.6) F10(-0.4,3.6) F11(0.4,3.6) F12(1.2,3.6) F13(2,3.6) F14(2.8,3.6) F15(3.6,3.6) F16(4.4,3.6) F17(5.2,3.6) F18(6,3.6) F19(6.8,3.6) F20(7.6,3.6) G1(-7.6,2.8) G2(-6.8,2.8) G3(-6,2.8) G4(-5.2,2.8) G5(-4.4,2.8) G6(-3.6,2.8) G7(-2.8,2.8) G8(-2,2.8) G9(-1.2,2.8) G10(-0.4,2.8) G11(0.4,2.8) G12(1.2,2.8) G13(2,2.8) G14(2.8,2.8) G15(3.6,2.8) G16(4.4,2.8) G17(5.2,2.8) G18(6,2.8) G19(6.8,2.8) G20(7.6,2.8) H1(-7.6,2) H2(-6.8,2) H3(-6,2) H4(-5.2,2) H5(-4.4,2) H6(-3.6,2) H7(-2.8,2) H8(-2,2) H9(-1.2,2) H10(-0.4,2) H11(0.4,2) H12(1.2,2) H13(2,2) H14(2.8,2) H15(3.6,2) H16(4.4,2) H17(5.2,2) H18(6,2) H19(6.8,2) H20(7.6,2) J1(-7.6,1.2) J2(-6.8,1.2) J3(-6,1.2) J4(-5.2,1.2) J5(-4.4,1.2) J6(-3.6,1.2) J7(-2.8,1.2) J8(-2,1.2) J9(-1.2,1.2) J10(-0.4,1.2) J11(0.4,1.2) J12(1.2,1.2) J13(2,1.2) J14(2.8,1.2) J15(3.6,1.2) J16(4.4,1.2) J17(5.2,1.2) J18(6,1.2) J19(6.8,1.2) J20(7.6,1.2) K1(-7.6,0.4) K2(-6.8,0.4) K3(-6,0.4) K4(-5.2,0.4) K5(-4.4,0.4) K6(-3.6,0.4) K7(-2.8,0.4) K8(-2,0.4) K9(-1.2,0.4) K10(-0.4,0.4) K11(0.4,0.4) K12(1.2,0.4) K13(2,0.4) K14(2.8,0.4) K15(3.6,0.4) K16(4.4,0.4) K17(5.2,0.4) K18(6,0.4) K19(6.8,0.4) K20(7.6,0.4) L1(-7.6,-0.4) L2(-6.8,-0.4) L3(-6,-0.4) L4(-5.2,-0.4) L5(-4.4,-0.4) L6(-3.6,-0.4) L7(-2.8,-0.4) L8(-2,-0.4) L9(-1.2,-0.4) L10(-0.4,-0.4) L11(0.4,-0.4) L12(1.2,-0.4) L13(2,-0.4) L14(2.8,-0.4) L15(3.6,-0.4) L16(4.4,-0.4) L17(5.2,-0.4) L18(6,-0.4) L19(6.8,-0.4) L20(7.6,-0.4) M1(-7.6,-1.2) M2(-6.8,-1.2) M3(-6,-1.2) M4(-5.2,-1.2) M5(-4.4,-1.2) M6(-3.6,-1.2) M7(-2.8,-1.2) M8(-2,-1.2) M9(-1.2,-1.2) M10(-0.4,-1.2) M11(0.4,-1.2) M12(1.2,-1.2) M13(2,-1.2) M14(2.8,-1.2) M15(3.6,-1.2) M16(4.4,-1.2) M17(5.2,-1.2) M18(6,-1.2) M19(6.8,-1.2) M20(7.6,-1.2) N1(-7.6,-2) N2(-6.8,-2) N3(-6,-2) N4(-5.2,-2) N5(-4.4,-2) N6(-3.6,-2) N7(-2.8,-2) N8(-2,-2) N9(-1.2,-2) N10(-0.4,-2) N11(0.4,-2) N12(1.2,-2) N13(2,-2) N14(2.8,-2) N15(3.6,-2) N16(4.4,-2) N17(5.2,-2) N18(6,-2) N19(6.8,-2) N20(7.6,-2) P1(-7.6,-2.8) P2(-6.8,-2.8) P3(-6,-2.8) P4(-5.2,-2.8) P5(-4.4,-2.8) P6(-3.6,-2.8) P7(-2.8,-2.8) P8(-2,-2.8) P9(-1.2,-2.8) P10(-0.4,-2.8) P11(0.4,-2.8) P12(1.2,-2.8) P13(2,-2.8) P14(2.8,-2.8) P15(3.6,-2.8) P16(4.4,-2.8) P17(5.2,-2.8) P18(6,-2.8) P19(6.8,-2.8) P20(7.6,-2.8) R1(-7.6,-3.6) R2(-6.8,-3.6) R3(-6,-3.6) R4(-5.2,-3.6) R5(-4.4,-3.6) R6(-3.6,-3.6) R7(-2.8,-3.6) R8(-2,-3.6) R9(-1.2,-3.6) R10(-0.4,-3.6) R11(0.4,-3.6) R12(1.2,-3.6) R13(2,-3.6) R14(2.8,-3.6) R15(3.6,-3.6) R16(4.4,-3.6) R17(5.2,-3.6) R18(6,-3.6) R19(6.8,-3.6) R20(7.6,-3.6) T1(-7.6,-4.4) T2(-6.8,-4.4) T3(-6,-4.4) T4(-5.2,-4.4) T5(-4.4,-4.4) T6(-3.6,-4.4) T7(-2.8,-4.4) T8(-2,-4.4) T9(-1.2,-4.4) T10(-0.4,-4.4) T11(0.4,-4.4) T12(1.2,-4.4) T13(2,-4.4) T14(2.8,-4.4) T15(3.6,-4.4) T16(4.4,-4.4) T17(5.2,-4.4) T18(6,-4.4) T19(6.8,-4.4) T20(7.6,-4.4) U1(-7.6,-5.2) U2(-6.8,-5.2) U3(-6,-5.2) U4(-5.2,-5.2) U5(-4.4,-5.2) U6(-3.6,-5.2) U7(-2.8,-5.2) U8(-2,-5.2) U9(-1.2,-5.2) U10(-0.4,-5.2) U11(0.4,-5.2) U12(1.2,-5.2) U13(2,-5.2) U14(2.8,-5.2) U15(3.6,-5.2) U16(4.4,-5.2) U17(5.2,-5.2) U18(6,-5.2) U19(6.8,-5.2) U20(7.6,-5.2) V1(-7.6,-6) V2(-6.8,-6) V3(-6,-6) V4(-5.2,-6) V5(-4.4,-6) V6(-3.6,-6) V7(-2.8,-6) V8(-2,-6) V9(-1.2,-6) V10(-0.4,-6) V11(0.4,-6) V12(1.2,-6) V13(2,-6) V14(2.8,-6) V15(3.6,-6) V16(4.4,-6) V17(5.2,-6) V18(6,-6) V19(6.8,-6) V20(7.6,-6) W1(-7.6,-6.8) W2(-6.8,-6.8) W3(-6,-6.8) W4(-5.2,-6.8) W5(-4.4,-6.8) W6(-3.6,-6.8) W7(-2.8,-6.8) W8(-2,-6.8) W9(-1.2,-6.8) W10(-0.4,-6.8) W11(0.4,-6.8) W12(1.2,-6.8) W13(2,-6.8) W14(2.8,-6.8) W15(3.6,-6.8) W16(4.4,-6.8) W17(5.2,-6.8) W18(6,-6.8) W19(6.8,-6.8) W20(7.6,-6.8) Y1(-7.6,-7.6) Y2(-6.8,-7.6) Y3(-6,-7.6) Y4(-5.2,-7.6) Y5(-4.4,-7.6) Y6(-3.6,-7.6) Y7(-2.8,-7.6) Y8(-2,-7.6) Y9(-1.2,-7.6) Y10(-0.4,-7.6) Y11(0.4,-7.6) Y12(1.2,-7.6) Y13(2,-7.6) Y14(2.8,-7.6) Y15(3.6,-7.6) Y16(4.4,-7.6) Y17(5.2,-7.6) Y18(6,-7.6) Y19(6.8,-7.6) Y20(7.6,-7.6)
